# Altium PCB PCB_usbHUB.PcbDoc (continued)
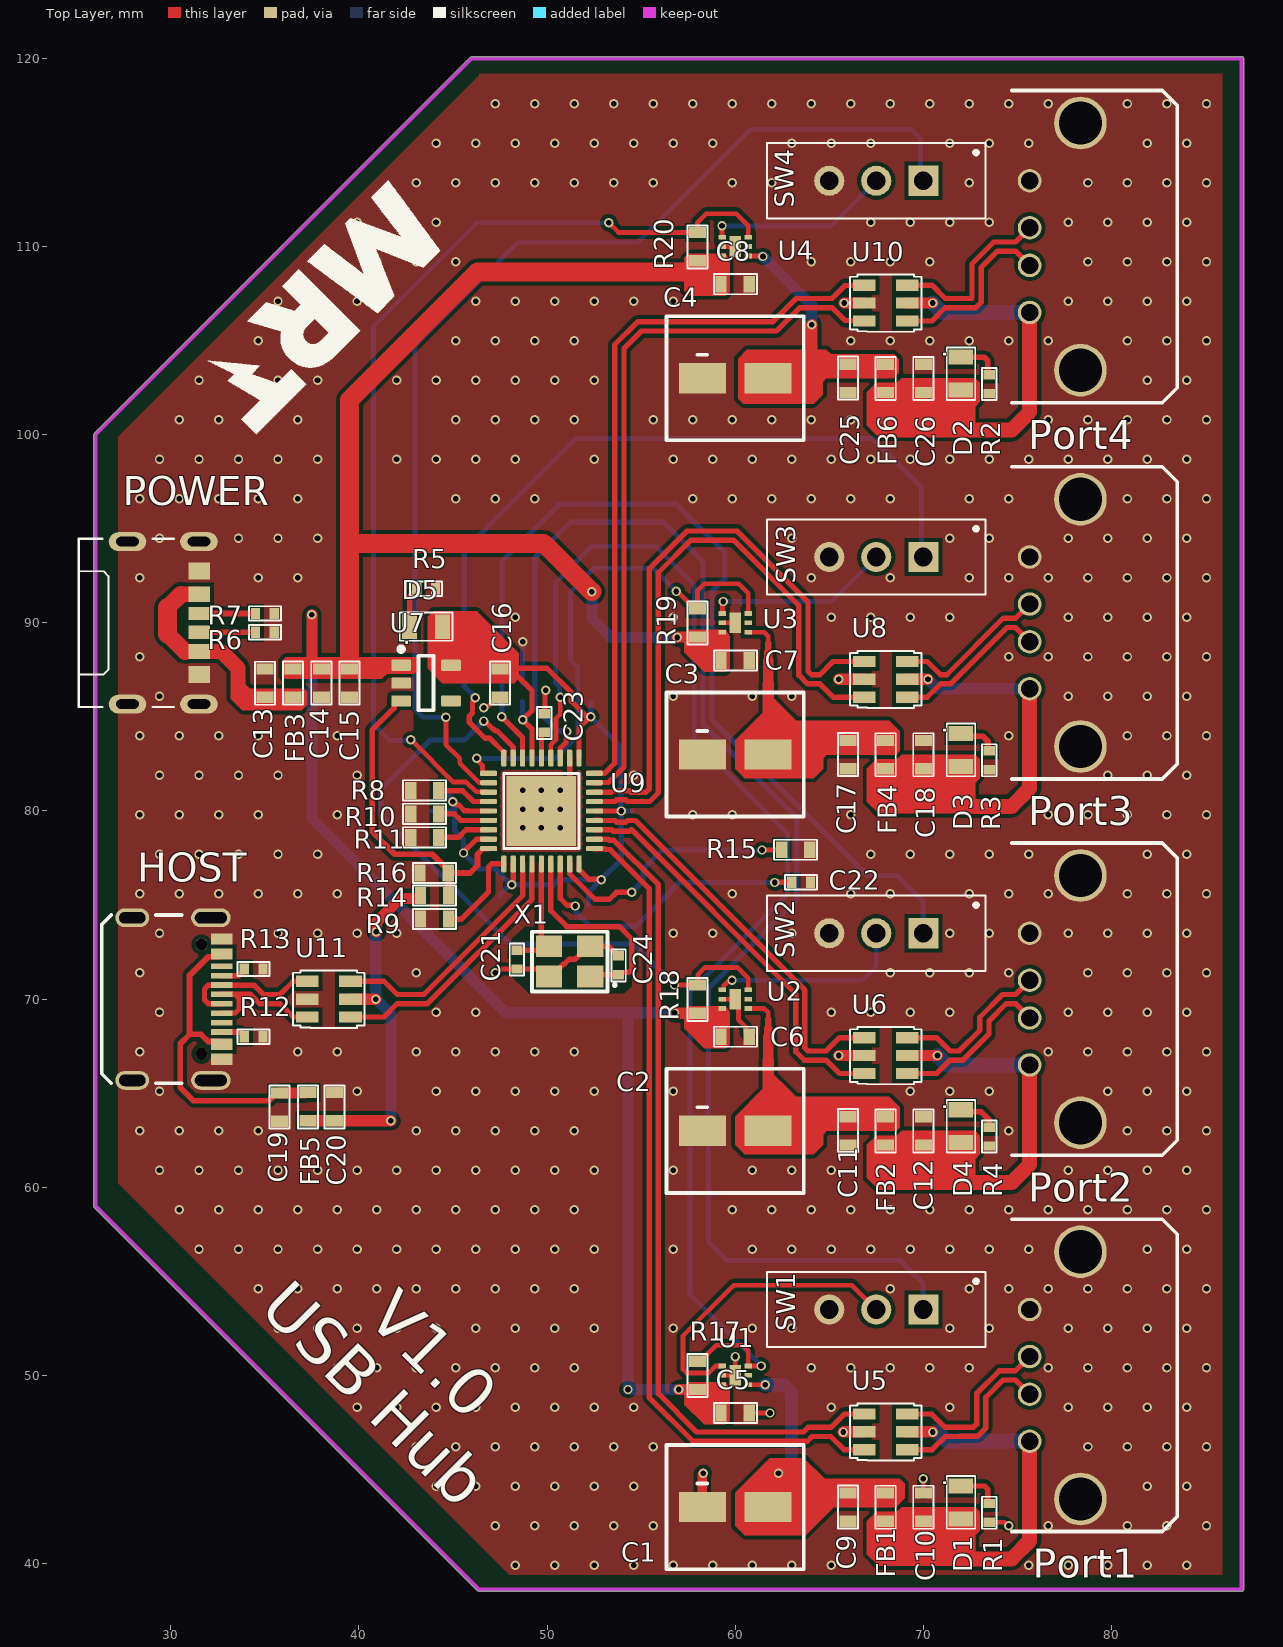
[diagram p0: Top Layer view]
## Footprints (in the part's own frame and the unit in brackets; to place one, negate y for a bottom-side part, rotate by r counter-clockwise, add the part's x,y. Pads: shape width x height; smd on the part's side, far side on the other; paste and mask are expansions set on the pad)
"6-UFDFN Exposed Pad" [mm]
  rect 0.4x0.25 smd paste-2539.97 mask+0.05: 1(-0.7,0.5) 2(-0.7,0) 3(-0.7,-0.5) 4(0.7,-0.5) 5(0.7,0) 6(0.7,0.5)
  rect 0.6x1.1 smd paste-2539.97 mask+0.05: GND(0,0)
  body extent -0.83,-0.83 0.83,0.83, height 0.61
"6.30mm Radial, Can - SMD" [mm]
  rect 2.5x1.6 smd paste-2539.97 mask+0.05: 1(-1.75,0) 2(1.75,0)
  silkscreen extent -3.65,-3.3 3.65,3.3, body extent -3.65,-3.3 3.65,3.3, height 7.7
"36-PIN SQFN" [mm]
  rrect50% 0.9x0.28 smd paste-2539.97 mask+0.05: 1(-2.81,2) 2(-2.81,1.5) 3(-2.81,1) 4(-2.81,0.5) 5(-2.81,0) 6(-2.81,-0.5) 7(-2.81,-1) 8(-2.81,-1.5) 9(-2.81,-2) 19(2.81,-2) 20(2.81,-1.5) 21(2.81,-1) 22(2.81,-0.5) 23(2.81,0) 24(2.81,0.5) 25(2.81,1) 26(2.81,1.5) 27(2.81,2)
  rrect50% 0.28x0.9 smd paste-2539.97 mask+0.05: 10(-2,-2.81) 11(-1.5,-2.81) 12(-1,-2.81) 13(-0.5,-2.81) 14(0,-2.81) 15(0.5,-2.81) 16(1,-2.81) 17(1.5,-2.81) 18(2,-2.81) 28(2,2.81) 29(1.5,2.81) 30(1,2.81) 31(0.5,2.81) 32(0,2.81) 33(-0.5,2.81) 34(-1,2.81) 35(-1.5,2.81) 36(-2,2.81)
  rect 3.7x3.7 smd paste-2539.97 mask+0.05: 37(0,0)
  silkscreen extent -2,-2 2,2, body extent -3.05,-3.05 3.05,3.05, height 0.99
"0402 CAP" [mm]
  rect 0.5x0.6 smd paste-2539.97 mask+0.05: 1(-0.5,0) 2(0.5,0)
  silkscreen extent -0.86,-0.38 0.85,0.38, body extent -0.51,-0.26 0.51,0.26, height 0.61
"0402 RES" [mm]
  rect 0.5x0.6 smd paste-2539.97 mask+0.05: 1(-0.5,0) 2(0.5,0)
  silkscreen extent -0.86,-0.38 0.85,0.38, body extent -0.5,-0.25 0.5,0.25, height 0.35
"0603 CAP" [mm]
  rect 0.6x0.9 smd paste-2539.97 mask+0.05: 1(-0.75,0) 2(0.75,0)
  silkscreen extent -1.13,-0.53 1.16,0.53, body extent -1.05,-0.52 1.05,0.51, height 0.8
"0603 FB" [mm]
  rect 0.6x0.9 smd paste-2539.97 mask+0.05: 1(-0.75,0) 2(0.75,0)
  silkscreen extent -1.13,-0.53 1.16,0.53, body extent -0.8,-0.38 0.8,0.37, height 0.4
"0603 RES" [mm]
  rect 0.6x0.9 smd paste-2539.97 mask+0.05: 1(-0.75,0) 2(0.75,0)
  silkscreen extent -1.13,-0.53 1.16,0.53, body extent -0.99,-0.47 0.99,0.51, height 0.43
3225 [mm] "3.2x2.5"
  rect 1.4x1.15 smd paste-2539.97 mask+0.05: 1(-1.1,0.8) 2(1.1,0.8) 3(1.1,-0.8) 4(-1.1,-0.8)
  silkscreen extent -2.4,-1.58 2,1.59, body extent -1.6,-1.25 1.6,1.25, height 0.6
EG1218 [mm] "EG1218 slide swtitch"
  rect 1.6x1.6 hole 1 paste-2539.97 mask+0.05: 1(-2.5,0)
  round 1.6 hole 1 paste-2539.97 mask+0.05: 2(0,0) 3(2.5,0)
  silkscreen extent -5.8,-2 5.8,2, body extent -5.8,-2 5.8,2, height 7
"LED 0805" [mm]
  rect 0.8x1.3 smd mask+0.05: 1(-0.875,0) 2(0.875,0)
  silkscreen extent -1.4,-0.75 1.4,0.76, body extent -1,-0.65 1,0.65, height 0.8
SOT23-6 [mm] "SOT23-6"
  rect 0.6x1.2 smd paste-2539.97 mask+0.05: 1(-0.95,-1.15) 2(0,-1.15) 3(0.95,-1.15) 4(0.95,1.15) 5(0,1.15) 6(-0.95,1.15)
  silkscreen extent -1.51,-1.9 1.53,1.9, body extent -1.45,-1.4 1.45,1.4, height 1.45
SOT-23-5 [mm] "SOT23, 5-Leads, Body 2,90x2,80mm, Pitch 0,95mm, IPC Medium Density"
  rrect25% 1.05x0.6 smd: 1(-1.325,0.95) 2(-1.325,0) 3(-1.325,-0.95) 4(1.325,-0.95) 5(1.325,0.95)
  silkscreen extent -1.45,-1.45 0.4,1.92, body extent -1.4,-1.45 1.4,1.45, height 1.45
"TYPE-C 6P(073)" [mm] "SHOU HAN / TYPE-C 6P(073)"
  oval 1x2 hole 0.5 slot 1.2 at 90 deg: 7(-4.32,-1.902) 7(-4.32,1.898) 7(4.32,-1.902) 7(4.32,1.898)
  rect 0.7x1.15 smd: A5(-0.5,1.903) B5(0.5,1.903)
  rect 0.8x1.15 smd: A9(1.52,1.903) B9(-1.52,1.903)
  rect 0.9x1.15 smd: A12(2.75,1.903) B12(-2.75,1.903)
  silkscreen extent -4.47,-4.5 4.47,0.55, body extent -4.5,-4.42 4.44,2.48, height 3.26
"USB TYPE C GCT 16P" [mm]
  rect 0.6x1.15 smd paste-2539.97 mask+0.05: A1-B12(-3.2,2.378) A4-B9(-2.4,2.378) B1-A12(3.2,2.378) B4-A9(2.4,2.378)
  rect 0.3x1.15 smd paste-2539.97 mask+0.05: A5(-1.25,2.378) A6(-0.25,2.378) A7(0.25,2.378) A8(1.25,2.378) B5(1.75,2.378) B6(0.75,2.378) B7(-0.75,2.378) B8(-1.75,2.378)
  round 0.65 hole 0.65 paste-2539.97 mask+0.05: MH(-2.9,1.303) MH(2.9,1.303)
  oval 1x2.1 hole 0.6 slot 1.7 at 90 deg paste-2539.97 mask+0.05: SH(-4.32,1.803) SH(4.32,1.803)
  oval 1x1.8 hole 0.6 slot 1.4 at 90 deg paste-2539.97 mask+0.05: SH(-4.32,-2.377) SH(4.32,-2.377)
  silkscreen extent -4.47,-4 4.47,0.25, body extent -4.47,-4.98 4.47,2.73, height 3.31
USB-A1HSW6 [mm]
  round 1.25 hole 0.92 paste-2539.97 mask+0.05: 1(-3.5,1.35) 2(-1,1.35) 3(1,1.35) 4(3.5,1.35)
  round 2.8 hole 2.3 paste-2539.97 mask+0.05: 5(-6.57,-1.35) 5(6.57,-1.35)
  silkscreen extent -8.3,-6.5 8.3,2.3, body extent -7.9,-11.8 7.9,2.3, height 7.6

## Part data
C1 C2 C3 C4: library part "CAP 120u Aluminum Electrolytic", "Aluminum Electrolytic Capacitor, 120 uF, 35 V, ± 20%, 2000 hours @ 105°C, Radial Can - SMD", Manufacturer=Panasonic, Manufacturer Part Number=EEE-FNV121XUP, Supplier Part Number=10-EEE-FNV121XUPCT-ND, Category="Aluminum Electrolytic Capacitors", ComponentLink1Description=https://datasheet.octopart.com/EEEFNV121XUP-Panasonic-datasheet-165581510.pdf?src-supplier=TME, ComponentLink1URL=https://datasheet.octopart.com/EEEFNV121XUP-Panasonic-datasheet-165581510.pdf?src-supplier=TME, Pricing="1=0,49, 10=0,33, 50=0,263, 100=0,2172 (USD)", RoHS=No, Stock=6074, Supplier=Digikey
C5 C6 C7 C8 C9 C10 C11 C12 C13 C14 C17 C18 C19 C20 C25 C26 C27: library part "0603 2u2 CAP", Case=0603
C15 C16: library part "0603 1u CAP", "Ceramic Capacitor, Multilayer, Ceramic, 25V, 10% +Tol, 10% -Tol, X7R, 15% TC, 1uF, Surface Mount, 0603", Capacitor Type=Ceramic, Case=0603, Manufacturer=Murata, Manufacturer Part Number=GCM188R71E105KA64D, Max Operating Temperature=125°C, Min Operating Temperature=-55°C, Package Shape=Rectangular, Package Style=SMTMeter, Rated DC Voltage (URdc)=25V, Supplier Part Number=490-10673-6-ND, Temperature Characteristics Code=X7R, Tolerance  (fill in as +-)=10%, Case/Package=0603, Category="Ceramic Capacitors", ComponentLink1Description=https://datasheet.ciiva.com:443/pdfs/VipMasterIC/IC/MURE/MURE-S-A0004362469/MURE-S-A0004362812-1.pdf?src-supplier=IHS+Markit, ComponentLink1URL=https://datasheet.ciiva.com:443/pdfs/VipMasterIC/IC/MURE/MURE-S-A0004362469/MURE-S-A0004362812-1.pdf?src-supplier=IHS+Markit, ComponentLink2Description=https://datasheet.ciiva.com/11616/product-11616499.pdf?src-supplier=Avnet, ComponentLink2URL=https://datasheet.ciiva.com/11616/product-11616499.pdf?src-supplier=Avnet, ComponentLink3Description=https://datasheet.ciiva.com/26843/getdatasheetpartid-562446-26843671.pdf?src-supplier=Verical, ComponentLink3URL=https://datasheet.ciiva.com/26843/getdatasheetpartid-562446-26843671.pdf?src-supplier=Verical, Dielectric Material=Ceramic, Height=0.9mm, JESD-609 Code=e3, Length=1.6mm, Mounting Technology="Surface Mount", Multilayer=Yes, Packaging="Tape and Reel", Pins=2, Pricing="1=0,24, 10=0,158, 50=0,1, 100=0,08, 500=0,05776, 1000=0,0511 (USD)", Reach SVHC Compliant=Yes, Reference Standard=AEC-Q200, RoHS=Yes, RoHS Compliant=Yes, Stock=2612025, Supplier=Digikey, Terminal Finish=Nickel, Termination=Wraparound, Tolerance (fill in as +-)=10%, Width=0.8mm
C21 C24: library part "0402 10p CAP", "Ceramic Capacitor, Multilayer, Ceramic, 25V, 2% +Tol, 2% -Tol, C0G, 30ppm/Cel TC, 0.00001uF, Surface Mount, 01005", Capacitor Type=Ceramic, Case=0402, Manufacturer=Murata, Manufacturer Part Number=GRM0225C1E100GA03L, Max Operating Temperature=125°C, Min Operating Temperature=-55°C, Package Shape=Rectangular, Rated DC Voltage (URdc)=25V, Supplier Part Number=490-13464-2-ND, Temperature Characteristics Code=C0G, Tolerance  (fill in as +-)=2%, Category="Ceramic Capacitors", ComponentLink1Description=https://datasheet.ciiva.com:443/pdfs/VipMasterIC/IC/MURE/MURE-S-A0004430058/MURE-S-A0004435504-1.pdf?src-supplier=IHS+Markit, ComponentLink1URL=https://datasheet.ciiva.com:443/pdfs/VipMasterIC/IC/MURE/MURE-S-A0004430058/MURE-S-A0004435504-1.pdf?src-supplier=IHS+Markit, ComponentLink2Description=https://search.murata.co.jp/Ceramy/image/img/A01X/G101/ENG/GRM0225C1E100GA03-01.pdf?src-supplier=Digikey, ComponentLink2URL=https://search.murata.co.jp/Ceramy/image/img/A01X/G101/ENG/GRM0225C1E100GA03-01.pdf?src-supplier=Digikey, ComponentLink3Description=http://search.murata.co.jp/Ceramy/image/img/A01X/G101/ENG/GRM0225C1E100GA03-01.pdf?src-supplier=Digikey, ComponentLink3URL=http://search.murata.co.jp/Ceramy/image/img/A01X/G101/ENG/GRM0225C1E100GA03-01.pdf?src-supplier=Digikey, Dielectric Material=Ceramic, Mounting Technology="Surface Mount", Multilayer=Yes, Packaging="Tape and Reel", Pins=2, Pricing="40000=0,00724, 80000=0,00648, 120000=0,00524, 200000=0,00507, 280000=0,00476 (USD)", Reach SVHC Compliant=Yes, RoHS=Yes, RoHS Compliant=Yes, Stock=400000, Supplier=Digikey, Termination=Wraparound, Tolerance (fill in as +-)=2%
C22 C23 C28 C29 C30 C31 C32 C33: library part "0402 100n AP", "Ceramic Capacitor, Multilayer, Ceramic, 25V, 10% +Tol, 10% -Tol, X7R, 15% TC, 0.1uF, Surface Mount, 0402", Capacitor Type=Ceramic, Case=0402, Manufacturer=Murata, Manufacturer Part Number=GRM155R71E104KE14J, Max Operating Temperature=125°C, Min Operating Temperature=-55°C, Package Shape=Rectangular, Package Style=SMTMeter, Rated DC Voltage (URdc)=25V, Supplier Part Number=490-14603-1-ND, Temperature Characteristics Code=X7R, Tolerance  (fill in as +-)=10%, Case/Package=0402, Category="Ceramic Capacitors", ComponentLink1Description=https://datasheet.ciiva.com:443/pdfs/VipMasterIC/IC/MURE/MURE-S-A0004362469/MURE-S-A0004364872-1.pdf?src-supplier=IHS+Markit, ComponentLink1URL=https://datasheet.ciiva.com:443/pdfs/VipMasterIC/IC/MURE/MURE-S-A0004362469/MURE-S-A0004364872-1.pdf?src-supplier=IHS+Markit, ComponentLink2Description=http://www.mouser.com/ds/2/281/c02e-2905.pdf?src-supplier=Mouser, ComponentLink2URL=http://www.mouser.com/ds/2/281/c02e-2905.pdf?src-supplier=Mouser, ComponentLink3Description=https://datasheet.octopart.com/GRM155R71E104KE14J-Murata-datasheet-155345056.pdf?src-supplier=Element14, ComponentLink3URL=https://datasheet.octopart.com/GRM155R71E104KE14J-Murata-datasheet-155345056.pdf?src-supplier=Element14, ComponentLink4Description=http://search.murata.co.jp/Ceramy/image/img/A01X/G101/ENG/GRM155R71E104KE14-01.pdf?src-supplier=Digikey, ComponentLink4URL=http://search.murata.co.jp/Ceramy/image/img/A01X/G101/ENG/GRM155R71E104KE14-01.pdf?src-supplier=Digikey, ComponentLink5Description=https://datasheet.octopart.com/GRM155R71E104KE14J-Murata-datasheet-165579666.pdf?src-supplier=TME, ComponentLink5URL=https://datasheet.octopart.com/GRM155R71E104KE14J-Murata-datasheet-165579666.pdf?src-supplier=TME, Dielectric Material=Ceramic, Height=0.5mm, JESD-609 Code=e3, Length=1mm, Mounting Technology="Surface Mount", Multilayer=Yes, Packaging="Tape and Reel", Pins=2, Pricing="1=0,1, 10=0,024, 50=0,0136, 100=0,0105, 500=0,00794, 1000=0,00623, 2500=0,00566, 5000=0,00521 (USD)", Reach SVHC Compliant=Yes, RoHS=Yes, RoHS Compliant=Yes, Stock=3911559, Supplier=Digikey, Terminal Finish=Nickel, Termination=Wraparound, Tolerance (fill in as +-)=10%, Width=0.5mm
FB1 FB2 FB3 FB4 FB5 FB6: library part BLM18KG121TN1D, "Ferrite Chip, 1 Function(s), 3A, 2 Pin(s)", Case Code=0603, Clock Frequency=100MHz, Current Rating=3A, DC Resistance-Max=30mR, Manufacturer=Murata, Max Operating Temperature=125°C, Min Operating Temperature=-55°C, Supplier Part Number=490-5254-1-ND, Category="Ferrite Beads and Chips", Channels=1, ComponentLink1Description=https://datasheet.ciiva.com:443/pdfs/VipMasterIC/IC/MURE/MURE-S-A0008515923/MURE-S-A0008515923-1.pdf?src-supplier=IHS+Markit, ComponentLink1URL=https://datasheet.ciiva.com:443/pdfs/VipMasterIC/IC/MURE/MURE-S-A0008515923/MURE-S-A0008515923-1.pdf?src-supplier=IHS+Markit, ComponentLink2Description=https://datasheet.ciiva.com/11795/0900766b81076276-11795748.pdf?src-supplier=Rs, ComponentLink2URL=https://datasheet.ciiva.com/11795/0900766b81076276-11795748.pdf?src-supplier=Rs, ComponentLink3Description=https://datasheet.ciiva.com/22715/486545-22715701.pdf?src-supplier=Element14, ComponentLink3URL=https://datasheet.ciiva.com/22715/486545-22715701.pdf?src-supplier=Element14, ComponentLink4Description=https://datasheet.ciiva.com/1012/l0110e-1012354.pdf?src-supplier=Digikey, ComponentLink4URL=https://datasheet.ciiva.com/1012/l0110e-1012354.pdf?src-supplier=Digikey, ComponentLink5Description=https://datasheet.ciiva.com/1012/l0110e-1012353.pdf?src-supplier=Digikey, ComponentLink5URL=https://datasheet.ciiva.com/1012/l0110e-1012353.pdf?src-supplier=Digikey, ComponentLink6Description=https://datasheet.ciiva.com/1012/l0110e-1012355.pdf?src-supplier=Digikey, ComponentLink6URL=https://datasheet.ciiva.com/1012/l0110e-1012355.pdf?src-supplier=Digikey, ComponentLink7Description=https://datasheet.ciiva.com/41449/001172289-da-01-en-drossel-0603-120r-1-6x0-8mm-4000st-41449628.pdf?src-supplier=Conrad, ComponentLink7URL=https://datasheet.ciiva.com/41449/001172289-da-01-en-drossel-0603-120r-1-6x0-8mm-4000st-41449628.pdf?src-supplier=Conrad, Construction="Chip Bead", Filter Type="FERRITE CHIP", Height=0.6mm, JESD-609 Code=e3, Length=1.6mm, Manufacturer Part Number=BLM18KG121TN1D, Material=Ferrite, Min Frequency=100MHz, Mounting Technology="Surface Mount", Output Impedance=120R, Packaging="Tape and Reel", Pricing="1=0,1, 10=0,044, 25=0,0376, 50=0,0338, 100=0,0302, 250=0,02604, 500=0,02318, 1000=0,02055 (USD)", Reach SVHC Compliant=Yes, RoHS=Yes, RoHS Compliant=Yes, Stock=2603406, Supplier=Digikey, Terminal Finish=Tin, Width=0.8mm
HOST: library part "USB TYPE C 16 PIN GCT", "USB Connectors USB Type C, 2.0 SMT PCB Top Mnt .60mm", Current Rating=5A, Manufacturer=GCT, Voltage Rating=5V, Manufacturer Part Number=USB4105-GF-A-060
Port1 Port2 Port3 Port4: "USB Connector, 4 Contact(s), Female, Right Angle, Solder Terminal, Locking", Contact Resistance=30mR, Manufacturer="On-Shore Technology", Manufacturer Series=USB, Max Operating Temperature=85°C, Min Operating Temperature=0°C, Rated Current (Signal)=1A, Supplier Part Number=ED2989-ND, Insulation Resistance=1GR, Board Mounting Option="SOLDER HOLDING FLANGE", Body Breadth=0.272inch, Body Depth=0.555inch, Body Length=0.571inch, Category=Connectors, ComponentLink1Description=https://datasheet.ciiva.com:443/pdfs/VipMasterIC/IC/ONST/ONST-S-Z0000000698/ONST-S-Z0000000698-1.pdf?src-supplier=IHS+Markit, ComponentLink1URL=https://datasheet.ciiva.com:443/pdfs/VipMasterIC/IC/ONST/ONST-S-Z0000000698/ONST-S-Z0000000698-1.pdf?src-supplier=IHS+Markit, ComponentLink2Description=https://datasheet.ciiva.com/851/usb-a1hsxx-851712.pdf?src-supplier=Digikey, ComponentLink2URL=https://datasheet.ciiva.com/851/usb-a1hsxx-851712.pdf?src-supplier=Digikey, Connector Type=USB, Contact Finish - Mating="AU ON NI", Contact Gender=Female, Contact Material=Bronze, Contact Style=USB, Manufacturer Part Number=USB-A1HSW6, Mounting Option 1=LOCKING, Mounting Style="RIGHT ANGLE", Mounting Technology=Board, Number Of Connectors=1, Number of Contacts=4, Number Of PCB Rows=1, PCB Contact Pattern=RECTANGULAR, Polarization Key="POLARIZED HOUSING", Pricing="1=0,68, 10=0,516, 25=0,464, 40=0,43925, 80=0,40563, 230=0,36013, 440=0,33527, 945=0,30869, 2400=0,27991 (USD)", Reach SVHC Compliant=Yes, Reference Standard=UL, Reliability=COMMERCIAL, RoHS=Yes, RoHS Compliant=Yes, Shell Finish=Copper, Shell Material=Brass, Stock=23923, Supplier=Digikey, Terminal Length=0.11inch, Terminal Pitch=2.0066mm, Termination=Solder, Insulation Material=Glass
POWER: library part "USB TYPE-C 6P(073) (Right Angle)", "Manufacturer SHOU HAN / MFR.Part # TYPE-C 6P(073) / JLCPCB Part # C668623", Current Rating=5A, JLCPCB Part=C668623, Manufacturer="SHOU HAN", Voltage Rating=5V
R1 R2 R3 R4 R5 R6 R7 R12 R13: library part "0402 RES", Case=0402
R8 R9 R10 R11 R14 R15 R16 R17 R18 R19 R20: library part "0603 0R RES", Case=0603
SW1 SW2 SW3 SW4: "Slide Switch, 2 Positions, SPDT, Latched, 0.2A, 30VDC, 3 PCB Hole Cnt, Solder Terminal, Through Hole-straight EG1218", Manufacturer=E-Switch, Manufacturer Part Number=EG1218, Max Operating Temperature=70°C, Min Operating Temperature=-20°C, Supplier Part Number=EG1903-ND, Body Breadth=4inch, Body Height=5.4mm, Body Length or Diameter=11.6mm, Category="Slide Switches", ComponentLink1Description=https://datasheet.ciiva.com:443/pdfs/VipMasterIC/IC/ESCH/ESCH-S-A0005350660/ESCH-S-A0005350660-1.pdf?src-supplier=IHS+Markit, ComponentLink1URL=https://datasheet.ciiva.com:443/pdfs/VipMasterIC/IC/ESCH/ESCH-S-A0005350660/ESCH-S-A0005350660-1.pdf?src-supplier=IHS+Markit, ComponentLink2Description=https://datasheet.ciiva.com/1699/p040040c-1699451.pdf?src-supplier=Newark, ComponentLink2URL=https://datasheet.ciiva.com/1699/p040040c-1699451.pdf?src-supplier=Newark, JESD-609 Code=e4, Mounting Technology="Through Hole", Pricing="1=0,76, 10=0,727, 25=0,6996, 100=0,6071, 250=0,55396, 500=0,51478, 1000=0,46162, 2500=0,43364, 5000=0,40287 (USD)", Reach SVHC Compliant=Yes, RoHS=Yes, RoHS Compliant=Yes, Stock=58277, Supplier=Digikey, Switch Action=LATCHED, Switch Function=SPDT, Switch Type="Slide Switch", Terminal Finish=Silver, Termination=Solder
U1 U2 U3 U4: "Power Supply Support Circuit, 500mA Cuurent Fixed, 1 Channel, PDSO6", Case/Package=HVSON, Manufacturer=Microchip, Max Operating Temperature=85°C, Max Supply Voltage=5.5V, Min Operating Temperature=-40°C, Min Supply Voltage=2.5V, Nominal Supply Voltage=5V, Package Body Material=Plastic, Package Shape=Square, Package Style="SMALL OUTLINE, HEAT SINK/SLUG, VERY THIN PROFILEMeter", Peak Reflow Temperature (Cel)=260°C, Supplier Part Number=576-3780-1-ND, Temperature Grade=INDUSTRIAL, Time @ Peak Reflow Temperature-Max (s)=40s, Adjustable Threshold=No, Category="Hot Swap Controllers", Channels=1, ComponentLink1Description=https://datasheet.ciiva.com:443/pdfs/VipMasterIC/IC/MCRL/MCRLS04132/MCRLS04132-1.pdf?src-supplier=IHS+Markit, ComponentLink1URL=https://datasheet.ciiva.com:443/pdfs/VipMasterIC/IC/MCRL/MCRLS04132/MCRLS04132-1.pdf?src-supplier=IHS+Markit, ComponentLink2Description=https://datasheet.ciiva.com/1963/mic2095-1963024.pdf?src-supplier=Digikey, ComponentLink2URL=https://datasheet.ciiva.com/1963/mic2095-1963024.pdf?src-supplier=Digikey, ComponentLink3Description=https://datasheet.ciiva.com/12183/mic2095-278268-12183148.pdf?src-supplier=Mouser, ComponentLink3URL=https://datasheet.ciiva.com/12183/mic2095-278268-12183148.pdf?src-supplier=Mouser, ComponentLink4Description=https://datasheet.ciiva.com/16452/mic2095-16452137.pdf?src-supplier=Future+Electronics, ComponentLink4URL=https://datasheet.ciiva.com/16452/mic2095-16452137.pdf?src-supplier=Future+Electronics, Height - Seated (Max)=0.6mm, JESD-30 Code=S-PDSO-N6, JESD-609 Code=e4, Length=1.6mm, Manufacturer Part Number=MIC2095-2YMT-TR, Number of Channels=1, Pins=6, Pricing="1=0,6, 25=0,52, 100=0,46 (USD)", Qualification Status="Not Qualified", Reach SVHC Compliant=Yes, RoHS=Yes, RoHS Compliant=Yes, Stock=8110, Supplier=Digikey, Surface Mount=Yes, Terminal Finish=Gold, Terminal Form="No Lead", Terminal Pitch=0.5mm, Terminal Position=DUAL, Throw Configuration="POWER SUPPLY SUPPORT CIRCUIT", Width=1.6mm
U5 U6 U8 U10 U11: "Trans Voltage Suppressor Diode, 5V V(RWM), Unidirectional, 1 Element, Silicon", Clamping Voltage-Max=17V, Manufacturer=STMicroelectronics, Max Operating Temperature=125°C, Min Breakdown Voltage=6V, Min Operating Temperature=-40°C, Package Body Material=Plastic, Package Shape=Rectangular, Package Style="SMALL OUTLINEMeter", Peak Reflow Temperature (Cel)=260°C, Rep Pk Reverse Voltage-Max=5V, Supplier Part Number=497-5235-1-ND, Additional Feature="HIGH RELIABILITY", Category="TVS Diodes", ComponentLink1Description=https://datasheet.ciiva.com:443/pdfs/VipMasterIC/IC/SGST/SGSTS30336/SGSTS30336-1.pdf?src-supplier=IHS+Markit, ComponentLink1URL=https://datasheet.ciiva.com:443/pdfs/VipMasterIC/IC/SGST/SGSTS30336/SGSTS30336-1.pdf?src-supplier=IHS+Markit, ComponentLink2Description=https://datasheet.ciiva.com/1268/1690354-1268384.pdf?src-supplier=Element14, ComponentLink2URL=https://datasheet.ciiva.com/1268/1690354-1268384.pdf?src-supplier=Element14, ComponentLink3Description=https://datasheet.ciiva.com/4508/cd00050750-113117-4508433.pdf?src-supplier=Mouser, ComponentLink3URL=https://datasheet.ciiva.com/4508/cd00050750-113117-4508433.pdf?src-supplier=Mouser, ComponentLink4Description=https://datasheet.ciiva.com/15143/getdatasheetpartid-148465-15143789.pdf?src-supplier=Verical, ComponentLink4URL=https://datasheet.ciiva.com/15143/getdatasheetpartid-148465-15143789.pdf?src-supplier=Verical, ComponentLink5Description=https://datasheet.ciiva.com/16200/cd00050750-16200026.pdf?src-supplier=Future+Electronics, ComponentLink5URL=https://datasheet.ciiva.com/16200/cd00050750-16200026.pdf?src-supplier=Future+Electronics, ComponentLink6Description=https://datasheet.ciiva.com/41444/001184109-da-01-en-ic-esd-protecti-usblc6-2sc6-sot-23-6-stm-41444156.pdf?src-supplier=Conrad, ComponentLink6URL=https://datasheet.ciiva.com/41444/001184109-da-01-en-ic-esd-protecti-usblc6-2sc6-sot-23-6-stm-41444156.pdf?src-supplier=Conrad, Diode Element Material=SILICON, Diode Type="TRANS VOLTAGE SUPPRESSOR", JESD-30 Code=R-PDSO-G6, JESD-609 Code=e3, Manufacturer Part Number=USBLC6-2SC6, Moisture Sensitivity Level=1, Number of Elements=1, Pins=6, Polarity=Unidirectional, Pricing="1=0,58, 10=0,496, 100=0,3448, 500=0,2692, 1000=0,21881 (USD)", Qualification Status="Not Qualified", Reach SVHC Compliant=Yes, Reference Standard=IEC-61000-4-2, RoHS=Yes, RoHS Compliant=Yes, Stock=59063, Supplier=Digikey, Surface Mount=Yes, Technology=AVALANCHE, Terminal Finish=Tin, Terminal Form="Gull Wing", Terminal Position=DUAL
U7: "Fixed Positive LDO Regulator, 3.3V, 0.4V Dropout, CMOS, PDSO5 600mA", Case/Package=LSSOP, Dropout Voltage1-Max=400mV, Dropout Voltage1-Nom=250mV, Manufacturer=Diodes, Max Operating Temperature=85°C, Max Supply Voltage=6V, Min Operating Temperature=-40°C, Min Input Voltage=2.5V, Output Current1-Max=600mA, Output Voltage1-Max=3.3495V, Output Voltage1-Min=3.2505V, Output Voltage1-Nom=3.3V, Package Body Material=Plastic, Package Equivalence Code=TSOP5/6,.11,37, Package Shape=Rectangular, Package Style="SMALL OUTLINE, LOW PROFILE, SHRINK PITCHMeter", Supplier Part Number=AP2112K-3.3TRG1DICT-ND, Voltage Tolerance-Max=1.5%, Input Voltage Absolute-Max=6.5V, Adjustability=FIXED, Category="Voltage Regulators - Linear", Channels=1, ComponentLink1Description=https://datasheet.ciiva.com:443/pdfs/VipMasterIC/IC/DIOD/DIOD-S-A0003551552/DIOD-S-A0003551552-1.pdf?src-supplier=IHS+Markit, ComponentLink1URL=https://datasheet.ciiva.com:443/pdfs/VipMasterIC/IC/DIOD/DIOD-S-A0003551552/DIOD-S-A0003551552-1.pdf?src-supplier=IHS+Markit, ComponentLink2Description=https://datasheet.ciiva.com/30016/ap2112-30016792.pdf?src-supplier=Avnet, ComponentLink2URL=https://datasheet.ciiva.com/30016/ap2112-30016792.pdf?src-supplier=Avnet, ComponentLink3Description=https://datasheet.ciiva.com/29569/ap2112-29569918.pdf?src-supplier=Digikey, ComponentLink3URL=https://datasheet.ciiva.com/29569/ap2112-29569918.pdf?src-supplier=Digikey, ComponentLink4Description=https://datasheet.ciiva.com/29569/ap2112-29569919.pdf?src-supplier=Digikey, ComponentLink4URL=https://datasheet.ciiva.com/29569/ap2112-29569919.pdf?src-supplier=Digikey, ComponentLink5Description=https://datasheet.ciiva.com/29569/ap2112-29569917.pdf?src-supplier=Digikey, ComponentLink5URL=https://datasheet.ciiva.com/29569/ap2112-29569917.pdf?src-supplier=Digikey, Height - Seated (Max)=1.45mm, JESD-30 Code=R-PDSO-G5, JESD-609 Code=e3, Length=2.92mm, Line Regulation-Max=0.00561%, Load Regulation-Max=0.0198%, Manufacturer Part Number=AP2112K-3.3TRG1, Moisture Sensitivity Level=3, Number of Outputs=1, Operating Temperature, TJ-Max=85°C, Operating Temperature, TJ-Min=-40°C, Packaging="Tape and Reel", Pins=5, Pricing="1=0,35, 10=0,287, 25=0,2628, 100=0,1955, 250=0,1772, 500=0,14666, 1000=0,10999 (USD)", Qualification Status="Not Qualified", Reach SVHC Compliant=Yes, Regulator Type="FIXED POSITIVE SINGLE OUTPUT LDO REGULATOR", RoHS=Yes, RoHS Compliant=Yes, Stock=149041, Supplier=Digikey, Surface Mount=Yes, Technology=CMOS, Terminal Finish=Tin, Terminal Form="Gull Wing", Terminal Pitch=0.95mm, Terminal Position=DUAL, Width=1.6mm